# Altium PCB R2C2_Mini-ASCII.PcbDoc (part 2 of 3)
Units mm, origin at the board's own origin, x right, y up, seen from the top; angles counter-clockwise.
Board outline 100 x 100 mm, 4 copper layers (Top Layer, Mid-Layer 1, Mid-Layer 2, Bottom Layer), stack 1.572 mm thick; 230 components, 186 nets, 773 pads, 549 vias.
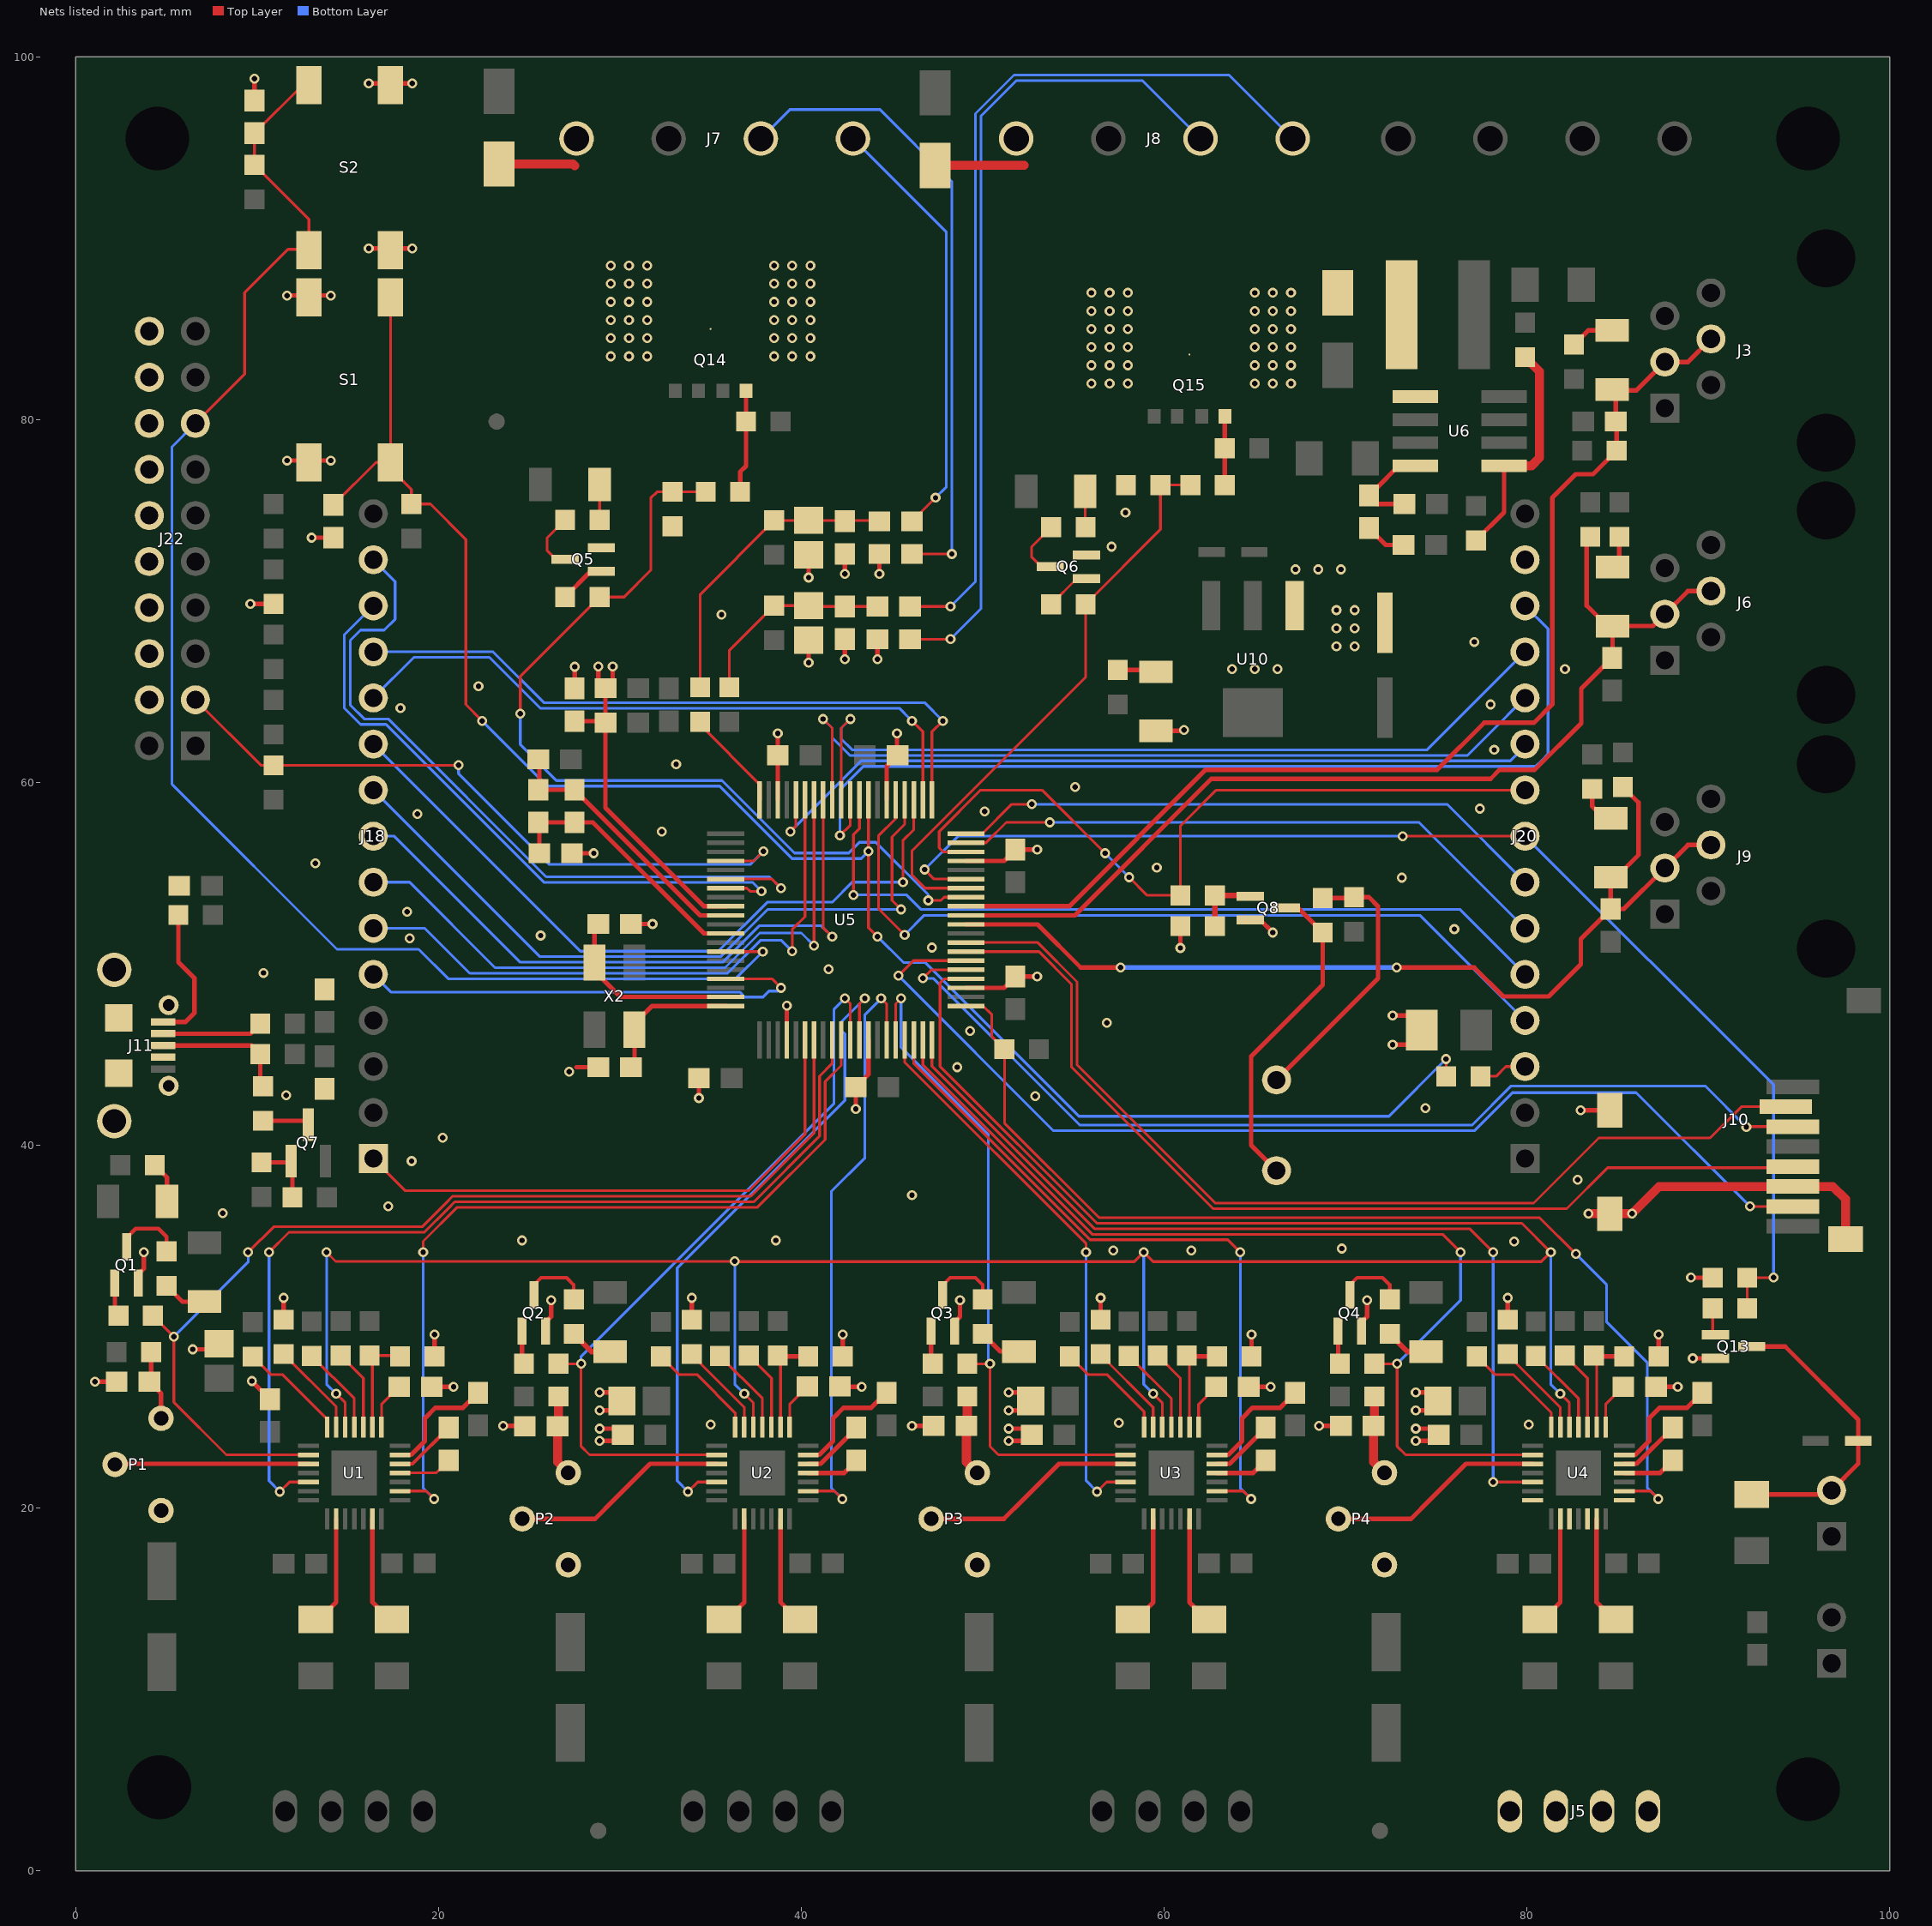
[diagram p4: the nets of this part, all layers, seen from the top]

## Part data
C1 C3 C5 C7 C8 C9 C10 C13 C14 C17 C18 C19 C21 C23 C25 C26 C28 C29 C30 C32 C35 C36 C37 C39 C43 C44 C45 C46 C47 C48 C49 C59 C60 C62 C63 C70: library part 10000054, "Capacitor - MLCC; 0603; NP0; 50V"
C2 C20: library part 10000054, "Capacitor Non Polarized"
C4 C6 C22 C24 C38 C40: library part 10000001, "Capacitor - MLCC; 0805; Y5V; 10UF; 6.3V"
C11 C12 C27 C31: library part 10000069, "Capacitor - Al. Electrolytic; 100UF; 35V"
C15 C16 C33 C34: library part 10000059, "Capacitor - MLCC; 0603; NP0; 50V"
C41: library part 10000002, "Capacitor - MLCC; 10uF; 35V;"
C42 C55 C56 C68: library part 10000056, "Capacitor - MLCC; 0603; NP0; 50V"
C50 C53: library part 10000058, "Capacitor - MLCC; 0603; NP0; 50V"
C51 C54 C71 C72 C73: library part 10000057, "Capacitor - MLCC; 0603; NP0; 50V"
C57: library part 10000005, "Capacitor - MLCC Y5V; 47UF; 6.3V"
C58: library part 10000086, "Capacitor - Al. Electrolytic; 100uF, 16V"
C61: library part 10000066, "Capacitor - MLCC; 0603; NP0; 50V"
C67: library part 10000055, "Capacitor - MLCC; 0603; NP0; 50V"
D1 D4 D7: library part 10000008, "Led - 1206; Green OSRAM"
D2 D3 D5 D6 D8 D9: library part 10000089, "Led - 1206; Red"
D10: library part 10000065, "Led - 1206; Blue OSRAM"
D12: library part 10000009, "Diode - Schottky; 25V; 2A"
D13: library part 10000007, "Led - 1206; Orange OSRAM"
D15 D16: library part 10000010, "Diode - Schottky; 1.5A; 60V"
D19 D20: library part 10000085, "Diode - Schottky; 30V; 1A;"
J1 J2 J4 J5 J7 J8 J12: library part 10000023, "Connector - Header male; Screw; 4way; Hor."
J3 J6 J9: library part 10000062, "Connector - PCB; RJ11; 6/4 Low Profile; Hor."
J10: library part 10000029, "Connector - MicroSD Card 8pin; PCB; Gold"
J18 J20: library part 10000067, "Connector - Header 15x1"
J21 J24: library part 10000097, "Connector - PCB; Header; SQ Pin, 2 way; 2.54mm; Vert"
J22: library part 10000064, "Connector - PCB; Male Receptacle; 2.54mm; 2way; Vert."
L1 L2 L3 L4 L5 L6 L7 L8: library part 10000032, "Ferrite Bead - 470OHM; 0603"
L13: library part 10000081, "Inductor - 33uH; Isat=2.9A; In=1.5A"
LS1: library part 10000068, "Buzzer - Piezo; 70dB; Diam.17mm"
MH1 MH2 MH3 MH4: library part 1000000, "PCB Symbol - Mounting Hole M3"
P1 P2 P3 P4: library part 10000092, "Resistor - Trimmer; 1/4\"; 10K"
Q1 Q2 Q3 Q4 Q5 Q6 Q8 Q13 Q14 Q15: library part 10000039, "Mosfet - N; 60V; 0.3A;"
Q7: library part 10000076, "Mosfet - Power; Vdss=-30v; Rds=0.60; Id=-0.6A"
R1 R2 R3 R5 R6 R7 R8 R9 R12 R14 R26 R27 R30 R31 R32 R33 R35 R36 R37 R38 R41 R55 R57 R64 R72 R75 R76 R77 R83 R86 R89 R94 R97 R104 R105 R115: library part 10000044, "Resistor - 0603; 0.063W; 1%"
R4: library part 10000048, "Resistor"
R10 R11 R44 R88 R96: library part 10000042, "Resistor - 0603; 0.063W; 1%"
R13 R16 R17 R42 R45 R46 R61 R80 R81: library part 10000041, "Resistor - 0603; 0.063W; 1%"
R15 R100: library part 10000049, "Resistor - 0603; 0.063W; 1%"
R18 R19 R47 R48: library part 10000087, "Resistor - 0603; 0.063W; 1%"
R20 R21 R22 R23 R49 R50 R51 R52: library part 10000047, "Resistor - 1206; 0.5W; 1%"
R24 R25 R28 R29 R53 R54 R56 R58 R74 R82 R92 R99 R103: library part 10000045, "Resistor - 0603; 0.063W; 1%"
R59: library part 10000044, "Resistor"
R60: library part 10000041, "Resistor"
R84 R85 R87: library part 10000048, "Resistor - 0603; 0.063W; 1%"
R90 R91: library part 10000053, "Resistor - 0603; 0.063W; 1%"
R93 R98: library part 10000061, "Resistor - 0603; 0.063W; 1%"
R95: library part 10000050, "Resistor - 0603; 0.063W; 1%"
R101: library part 10000080, "Resistor - 0603; 0.063W; 1%"
R102: library part 10000079, "Resistor - 0603; 0.063W; 1%"
S1 S2: library part 10000019, "Switch - Micro; Tactile; SPNO"
U1 U2 U3 U4: library part 10000094, "A4988 (A4983 pinout compatible)"
U5: library part 10000013, "IC - uController ARM Cortex-M3, 100MHz"
U6: library part 10000017, "IC - DC-DC Reg."
U10: library part 10000082, "IC - Fixed LDO Voltage Reg 3.3V 800mA"
X2: library part 10000040, "Crystal - 12.0MHz"

## Free pads (board coordinates)
  round 0.9 smd mask+0.95: ""(23.2,79.9) ""(28.8,2.2) ""(71.9,2.2)

## Via types
v1: diameter 0.55, hole 0.3, Top Layer to Bottom Layer, tented top, 513 vias
v2: diameter 0.55, hole 0.3, Top Layer to Bottom Layer, 36 vias

## Nets (pads, with @x,y where several pads share a name; then routed paths per layer and width w, separated by ;. In a path a pad name is that pad's centre, name@x,y a point inside that pad or via, vN(x,y) a via of type N, cw(c..) or ccw(c..) an arc to the next point about the centre after c; other vN are vias at no path point)
*BUSB: C59.2 R4.1 R103.1 S1.3 S1.4 U5.68 | length 100
  Top Layer w0.15: C59.2@14.2,75.3 16.55,77.65 17,77.65 18.5,76.15 R103.1@18.5,75.35 19.55,75.35 21.5,73.4 21.5,64.3 v1(22.4,63.4) ; S1.3@17.35,77.65 S1.4@17.35,86.75 ; U5.68@43.7,59.05 43.7,52 v1(44.2,51.5) ; R4.1@75.55,43.8 v1(75.55,44.75)
  Bottom Layer w0.15: v1(22.4,63.4) 26,59.8 35.5,59.8 39.495,55.805 43.305,55.805 v1(43.7,56.2) ; v1(44.2,51.5) 45.625,50.075 46.825,50.075 55.3,41.6 72.4,41.6 v1(75.55,44.75)
*RST: C60.2 J22.15 R74.1 S2.3 S2.4 U5.14 | length 84.7
  Top Layer w0.15: J22.15@6.59,79.8 9.3,82.51 9.3,87 11.7,89.4 12.8,89.4 12.85,89.45 12.85,91.05 R74.1@9.85,94.05 C60.2@9.85,95.8 12.6,98.55 S2.3@12.85,98.55 ; U5.14@35.825,50.675 v1(37.875,50.675)
  Bottom Layer w0.15: J22.15@6.59,79.8 5.3,78.51 5.3,59.9 14.396,50.804 18.896,50.804 20.524,49.176 36.376,49.176 v1(37.875,50.675)
*TRST: J22.3 R72.2 U5.4 | length 37.9
  Top Layer w0.15: J22.3@6.59,64.56 10.2,60.95 R72.2@10.9,60.95 v1(21.1,60.95) ; U5.4@35.825,55.675 37.375,55.675 v1(37.9,56.2)
  Bottom Layer w0.15: v1(21.1,60.95) 21.1,60.493 26.113,55.48 37.18,55.48 v1(37.9,56.2)
*USB_PPWR: J18.1 U5.26 | length 31
  Top Layer w0.15: J18.1@16.4,39.26 18.17,37.49 37.09,37.49 40.2,40.6 U5.26@40.2,45.8
CTC1: R82.2 R88.1 R94.2 U5.54 | length 32.1
  Top Layer w0.15: U5.54@49.075,54.175 46.825,54.175 46.1,54.9 46.1,56.231 55.675,65.806 R82.2@55.675,69.825 59.8,73.95 R94.2@59.8,76.4 R88.1@61.45,76.4
CTC1_NTC1: J8.1 L2.2 | length 49.8
  Top Layer w0.15: L2.2@46.025,69.7 v1(48.225,69.7)
  Bottom Layer w0.15: v1(48.225,69.7) 49.6,71.075 49.6,96.88 51.725,99.005 63.585,99.005 J8.1@67.09,95.5
CTC1_NTC2: J8.2 L4.2 | length 46
  Top Layer w0.15: L4.2@46.025,67.9 v1(48.225,67.9)
  Bottom Layer w0.15: v1(48.225,67.9) 49.905,69.58 49.905,96.754 51.851,98.7 58.81,98.7 J8.2@62.01,95.5
CTC2: R10.1 R92.2 R105.2 U5.53 | length 49.4
  Top Layer w0.15: v1(24.503,63.797) 24.503,65.853 R92.2@28.875,70.225 30.225,70.225 31.7,71.7 31.7,75.684 32.041,76.025 R105.2@32.9,76.025 R10.1@34.725,76.025 ; v1(47,53.5) 47.7,53.5 47.875,53.675 U5.53@49.075,53.675
  Bottom Layer w0.15: v1(24.503,63.797) 24.503,62.097 26.495,60.105 35.626,60.105 39.621,56.11 42.61,56.11 43.204,56.704 44.109,56.704 47,53.812 v1(47,53.5)
CTC2_NTC1: J7.1 L1.2 | length 24
  Top Layer w0.15: L1.2@46.1,74.4 v1(47.4,75.7)
  Bottom Layer w0.15: J7.1@42.845,95.5 47.995,90.35 47.995,76.295 v1(47.4,75.7)
CTC2_NTC2: J7.2 L3.2 | length 35.7
  Top Layer w0.15: L3.2@46.1,72.6 v1(48.3,72.6)
  Top Layer w0.25: L3.2@45.93,72.733 L3.2@46.012,72.733
  Bottom Layer w0.15: J7.2@37.765,95.5 39.365,97.1 44.339,97.1 48.3,93.139 48.3,72.8 48.4,72.7 v1(48.3,72.6)
DBG_RXD: J20.3 R4.2 | length 2.7
  Top Layer w0.15: R4.2@77.45,43.8 78.3,43.8 78.84,44.34 J20.3@79.9,44.34
DBG_TXD: J20.4 U5.65 | length 45.5
  Top Layer w0.15: U5.65@45.2,59.05 45.2,58 44.25,57.05 44.25,54.1 44.25,53.05 v1(45.7,51.6)
  Bottom Layer w0.15: v1(45.7,51.6) 46.775,52.675 74.105,52.675 J20.4@79.9,46.88
E1_MOTOR_1A: J5.2 U4.24
E1_MOTOR_1B: J5.1 U4.21
E1_MOTOR_2A: J5.3 U4.26
E1_MOTOR_2B: J5.4 U4.1
EXP_AD1_P1.31: J18.5 U5.17 | length 26.5
  Top Layer w0.15: U5.17@35.825,49.175 35.827,49.177 38.373,49.177 v1(38.875,48.675)
  Bottom Layer w0.15: J18.5@16.4,49.42 17.374,48.446 36.603,48.446 36.879,48.171 37.884,48.171 38.212,48.5 38.7,48.5 v1(38.875,48.675)
EXP_AD2_P0.25: J18.13 U5.7 | length 35.5
  Top Layer w0.15: U5.7@35.825,54.175 37,54.175 37.175,54 v1(37.8,54)
  Bottom Layer w0.15: J18.13@16.4,69.74 14.8,68.14 14.8,64.1 15.7,63.2 17.1,63.2 25.805,54.495 37.305,54.495 v1(37.8,54)
EXP_AD3_AOUT_P0.26: J18.14 U5.6 | length 41.5
  Top Layer w0.15: U5.6@35.825,54.675 38.375,54.675 v1(38.875,54.175)
  Bottom Layer w0.15: J18.14@16.4,72.28 17.6,71.08 17.6,69 17,68.4 15.7,68.4 15.13,67.83 15.13,64.27 15.895,63.505 17.226,63.505 25.931,54.8 38.25,54.8 v1(38.875,54.175)
EXP_IO1_P1.15: J20.5 U5.69 | length 44.2
  Top Layer w0.15: v1(42.875,53.8) 42.875,57.125 43.2,57.45 U5.69@43.2,59.05
  Bottom Layer w0.15: v1(42.875,53.8) 45.8,53.8 46.604,52.996 76.324,52.996 J20.5@79.9,49.42
EXP_IO2_P1.0: J20.10 U5.76 | length 44.4
  Top Layer w0.15: v1(39.4,57.3) 39.7,57.6 U5.76@39.7,59.05
  Bottom Layer w0.15: v1(39.4,57.3) 43.29,61.19 79.09,61.19 79.9,62 J20.10@79.9,62.12
EXP_IO3_P1.9: J20.11 U5.72 | length 45.9
  Top Layer w0.15: v1(41.2,63.5) 41.7,63 U5.72@41.7,59.05
  Bottom Layer w0.15: v1(41.2,63.5) 41.7,63 41.7,62.469 42.674,61.495 63.9,61.495 ; 64,61.495 63.9,61.495 ; J20.11@79.9,64.66 77.94,62.7 76.735,61.495 63.9,61.495
EXP_IO4_P1.10: J20.12 U5.71 | length 46.1
  Top Layer w0.15: U5.71@42.2,59.05 42.2,63 v1(42.7,63.5)
  Bottom Layer w0.15: v1(42.7,63.5) 42.2,63 42.2,62.4 42.8,61.8 74.5,61.8 75.802,63.102 J20.12@79.9,67.2
EXP_IO5_P1.14: J20.13 U5.70 | length 53.5
  Top Layer w0.15: v1(42.125,57.075) 42.7,57.65 U5.70@42.7,59.05
  Bottom Layer w0.15: v1(42.125,57.075) 42.125,59.594 43.417,60.886 63.4,60.886 ; 63.6,60.886 63.4,60.886 ; J20.13@79.9,69.74 81.17,68.47 81.17,61.57 80.829,61.229 80.486,60.886 63.4,60.886
EXP_IO6_P1.1: J18.6 U5.75 | length 33.8
  Top Layer w0.15: v1(39.5,50.7) 39.5,51.9 40.2,52.6 40.2,56.5 U5.75@40.2,59.05
  Bottom Layer w0.15: J18.6@16.4,51.96 19.24,51.96 21.719,49.481 35.921,49.481 37.735,51.295 38.905,51.295 v1(39.5,50.7)
EXP_IO7_P1.4: J18.7 U5.74 | length 35.4
  Top Layer w0.15: v1(40.7,51) 40.7,56.5 U5.74@40.7,59.05
  Bottom Layer w0.15: J18.7@16.4,54.5 18.4,54.5 23.114,49.786 35.795,49.786 37.709,51.7 40,51.7 v1(40.7,51)
EXP_IO8_P1.8: J18.8 U5.73 | length 37
  Top Layer w0.15: U5.73@41.2,59.05 41.2,57.2 41.2,52 v1(41.7,51.5)
  Bottom Layer w0.15: J18.8@16.4,57.04 17.56,57.04 24.51,50.09 35.668,50.09 37.678,52.1 41.1,52.1 v1(41.7,51.5)
EXP_MISO1_P0.8: J18.11 U5.62 | length 36.7
  Top Layer w0.15: v1@46,63.5 46.7,62.8 46.7,62.1 U5.62@46.7,59.05
  Bottom Layer w0.15: J18.11@16.4,64.66 18.644,66.904 22.796,66.904 25.605,64.095 45.405,64.095 v1@46,63.5
  other v1: 46.1,63.4
EXP_MOSI1_P0.9: J18.12 U5.61 | length 37.6
  Top Layer w0.15: U5.61@47.2,59.05 47.2,60.5 47.2,62.8 v1(47.8,63.4)
  Bottom Layer w0.15: J18.12@16.4,67.2 16.408,67.208 22.992,67.208 25.8,64.4 46.8,64.4 v1(47.8,63.4)
EXP_PWM1_RXD1_P2.5: J20.6 U5.59 | length 33.7
  Top Layer w0.15: U5.59@49.075,56.675 50.175,56.675 51.3,57.8 v1(53.7,57.8)
  Bottom Layer w0.15: v1(53.7,57.8) 74.06,57.8 J20.6@79.9,51.96
EXP_PWM2_TXD1_P2.4: J20.7 U5.60 | length 33.3
  Top Layer w0.15: U5.60@49.075,57.175 49.975,57.175 51.6,58.8 v1(52.7,58.8)
  Bottom Layer w0.15: v1(52.7,58.8) 75.6,58.8 J20.7@79.9,54.5
EXP_PWM3_FAN_P2.3: J20.8 R11.1 R33.2 U5.55 | length 69.5
  Top Layer w0.15: v1(46.8,55.2) 47.325,54.675 U5.55@49.075,54.675 ; v1(73.16,57.04) J20.8@79.9,57.04 ; R11.1@92.15,31 R33.2@92.15,32.7 v1(93.6,32.7)
  Bottom Layer w0.15: v1(46.8,55.2) 48.64,57.04 v1(73.16,57.04) ; J20.8@79.9,57.04 93.6,43.34 v1(93.6,32.7)
EXP_PWM4_BUZZER_P2.2: J20.9 R99.1 U5.58 | length 42.7
  Top Layer w0.15: U5.58@49.075,56.175 47.825,56.175 47.6,56.4 47.6,57.3 49.88,59.58 53.27,59.58 v1(56.75,56.1) ; v1(58.075,54.775) 59.075,53.775 60.775,53.775 R99.1@60.838,53.838 ; R99.1@60.9,53.775 60.9,57.6 62.88,59.58 J20.9@79.9,59.58
  Bottom Layer w0.15: v1(56.75,56.1) v1(58.075,54.775)
EXP_SCK1_P0.7: J18.10 U5.63 | length 40.3
  Top Layer w0.15: v1(45.6,54.5) 45.6,56.8 46.2,57.4 U5.63@46.2,59.05
  Bottom Layer w0.15: J18.10@16.4,62.12 27.82,50.7 35.416,50.7 38.116,53.4 41.7,53.4 42.8,54.5 v1(45.6,54.5)
EXP_SSEL1_P0.6: J18.9 U5.64 | length 40.5
  Top Layer w0.15: v1(45.5,53) 45,53.5 45,57 45.7,57.7 U5.64@45.7,59.05
  Bottom Layer w0.15: J18.9@16.4,59.58 25.585,50.395 35.542,50.395 38.147,53 v1(45.5,53)
GND: C3.1 C4.1 C5.1 C6.1 C15.1 C16.1 C17.1 C18.2 C21.1 C22.1 C23.1 C24.1 C33.1 C34.1 C35.1 C36.1 C42.1 C43.1 C44.1 C45.2 C46.2 C47.2 C48.2 C55.2 C56.2 C57.2 C58.2 C59.1 C60.1 C68.1 C70.1 D13.1 J10.6 J10.9@84.575,36.225 J10.9@84.575,41.925 J10.9@97.575,34.825 J11.4 J11.5@2.114,41.325 J11.5@2.114,49.675 J11.5@2.368,43.976 J11.5@2.368,47.024 J11.5@5.114,43.275 J11.5@5.114,47.725 J20.14 J22.4 J22.6 J22.8 J22.10 J22.12 J22.14 J22.16 J22.18 J22.20 L6.1 L8.1 P1.3 P2.3 P3.3 P4.3 Q1.2 Q2.2 Q3.2 Q4.2 Q5.2 Q6.2 Q8.2 Q13.2 R26.1 R27.1 R28.1 R29.1 R33.1 R55.1 R56.1 R57.1 R58.1 R83.1 R94.1 R100.1 R105.1 S1.1 S1.2 S2.1 S2.2 U5.24 U5.33 U5.43 U5.57 U5.66 U5.78 U10.1 | length 117.6
  Top Layer w0.25: v1(1.05,26.958) C17.1@2.25,26.958 ; Q1.2@3.45,32.4 3.45,32.9 3.746,33.196 v1(3.746,34.1) ; v1(6.45,28.75) C4.1@7.9,28.75 ; v1(9.625,69.85) R83.1@10.9,69.85 ; v1(9.7,27) C3.1@10.7,26 ; C60.1@9.85,97.6 v1(9.85,98.8) ; R26.1@11.45,30.383 v1(11.45,31.583) ; v1(11.65,77.75) v1(14.05,77.75) ; v1(11.65,86.85) v1(14.05,86.85) ; v1(13,73.5) C59.1@14.2,73.5 ; v1(16.15,89.45) v1(18.55,89.45) ; v1(16.15,98.55) v1(18.55,98.55) ; C15.1@19.625,26.683 v1(20.825,26.683) ; R28.1@19.775,28.358 v1(19.775,29.558) ; v1(23.555,24.533) C18.2@24.755,24.533 ; Q2.2@25.904,29.75 25.904,30.25 26.2,30.546 v1(26.2,31.45) ; L6.1@27.355,56.1 v1(28.555,56.1) ; L8.1@27.5,65.18 v1(27.5,66.38) ; 27.6,44.3 C56.2@28.8,44.3 ; v1(28.885,23.7) 29.822,23.7 C5.1@30.155,24.033 29.813,24.375 v1(28.885,24.375) ; v1(28.885,25.375) 29.58,25.375 C6.1@30.105,25.9 29.63,26.375 v1(28.885,26.375) ; C55.2@30.6,52.2 v1(31.8,52.2) ; R27.1@33.955,30.383 v1(33.955,31.583) ; v1@34.35,42.5 C46.2@34.35,43.7 ; U5.78@38.7,59.05 38.7,61.1 C45.2@39,61.4 ; C45.2@38.7,61.5 v1(38.7,62.7) ; U5.24@39.2,45.8 v1(39.2,47.7) ; C16.1@42.13,26.683 v1(43.33,26.683) ; R29.1@42.28,28.358 v1(42.28,29.558) ; v1(43,42) C44.1@43,43.2 43.7,43.9 U5.33@43.7,45.8 ; U5.66@44.7,59.05 44.7,60.9 C48.2@45.3,61.5 ; C48.2@45.275,61.5 v1(45.275,62.7) ; v1(46.1,24.533) C35.1@47.3,24.533 ; Q3.2@48.449,29.75 48.449,30.25 48.745,30.546 v1(48.745,31.45) ; U5.43@49.075,48.675 51.175,48.675 C47.2@51.8,49.3 v1(53,49.3) ; U5.57@49.075,55.675 51.175,55.675 C43.1@51.8,56.3 v1(53,56.3) ; v1(51.43,23.7) 52.367,23.7 C21.1@52.7,24.033 52.358,24.375 v1(51.43,24.375) ; v1(51.43,25.375) 52.125,25.375 C22.1@52.65,25.9 52.175,26.375 v1(51.43,26.375) ; R55.1@56.5,30.383 v1(56.5,31.583) ; D13.1@59.55,62.85 61.05,62.85 v1(61.1,62.9) ; v1(60.9,50.875) R100.1@60.9,52.075 ; C33.1@64.675,26.683 v1(65.875,26.683) ; Q8.2@64.75,52.425 65.3,52.425 v1(66,51.725) ; R56.1@64.825,28.358 v1(64.825,29.558) ; v1(68.545,24.533) C36.1@69.745,24.533 ; Q4.2@70.894,29.75 70.894,30.25 71.19,30.546 v1(71.19,31.45) ; v1(72.602,45.548) 73.402,45.548 C57.2@74.202,46.348 73.402,47.148 v1(72.602,47.148) ; v1(73.875,23.7) 74.812,23.7 C23.1@75.145,24.033 74.803,24.375 v1(73.875,24.375) ; v1(73.875,25.375) 74.57,25.375 C24.1@75.095,25.9 74.62,26.375 v1(73.875,26.375) ; R57.1@78.945,30.383 v1(78.945,31.583) ; v1@82.967,41.925 J10.9@84.575,41.925 ; C34.1@87.12,26.683 v1(88.32,26.683) ; R58.1@87.27,28.358 v1(87.27,29.558) ; v1(89.05,32.7) R33.1@90.25,32.7 ; v1(89.15,28.25) Q13.2@90.4,28.25 Q13.2@90.9,28.25
  Top Layer w0.5: v1(83.4,36.225) v1(85.8,36.225) 87.3,37.725 92.575,37.725 J10.6@94.675,37.725 96.875,37.725 97.575,37.025 J10.9@97.575,34.825
  other v1: 35,24.6 80.1,24.6 57.5,24.7 57.2,34.2 61.5,34.2 69.8,34.3 79.3,34.7 24.6,34.75 38.6,34.75 8.1,36.25 17.227,36.627 46.1,37.25 82.8,38.1 18.511,39.123 20.227,40.411 82.965,41.927 74.414,42.049 34.35,42.6 52.9,42.7 11.6,42.75 27.2,44.05 48.6,44.3 49.3,46.3 56.85,46.75 10.35,49.5 41.5,49.7 47.2,50.9 18.4,51.4 25.627,51.561 76.003,51.917 18.261,52.877 73.1,54.75 59.6,55.3 13.2,55.55 32.3,57.3 18.827,58.261 50.1,58.4 77.408,58.558 55.1,59.75 33.1,61 78.2,61.8 17.9,64.1 78,64.3 22.2,65.3 63.75,66.25 65,66.25 66.25,66.25 82.1,66.25 69.5,67.5 70.5,67.5 77.1,67.75 69.5,68.5 70.5,68.5 35.6,69.25 69.5,69.5 70.5,69.5 67.25,71.75 68.5,71.75 69.75,71.75 57.1,73 57.875,74.875
GND_A: C37.1 C38.1 C39.1 C40.1 C53.1 C54.1 L3.1 L4.1 L8.2 U5.9 | length 26.8
  Top Layer w0.25: L8.2@27.5,63.38 29.12,63.38 C54.1@29.2,63.3 ; v1(28.8,66.4) 28.8,65.6 C53.1@29.2,65.2 ; v1(29.6,66.4) 29.6,65.6 C53.1@29.2,65.2 ; U5.9@35.825,53.175 34.625,53.175 29.2,58.6 C54.1@29.2,63.3 ; v1(40.4,66.6) C40.1@40.4,67.85 ; v1(40.4,71.3) C38.1@40.4,72.55 ; v1(42.4,66.8) C39.1@42.4,67.9 ; v1(42.4,71.5) C37.1@42.4,72.6 ; v1(44.2,66.8) L4.1@44.2,67.9 ; v1(44.3,71.5) L3.1@44.3,72.6 ; C54.1@29.2,63.3 C53.1@29.2,65.2
HEAT_BED: D16.2 J7.4 Q14.D | length 4.2
  Top Layer w0.5: D16.2@23.325,94.1 27.4,94.1 27.5,94
  other v1: 29.5,83.5 30.5,83.5 31.5,83.5 38.5,83.5 39.5,83.5 40.5,83.5 29.5,84.5 30.5,84.5 31.5,84.5 38.5,84.5 39.5,84.5 40.5,84.5 29.5,85.5 30.5,85.5 31.5,85.5 38.5,85.5 39.5,85.5 40.5,85.5 29.5,86.5 30.5,86.5 31.5,86.5 38.5,86.5 39.5,86.5 40.5,86.5 29.5,87.5 30.5,87.5 31.5,87.5 38.5,87.5 39.5,87.5 40.5,87.5 29.5,88.5 30.5,88.5 31.5,88.5 38.5,88.5 39.5,88.5 40.5,88.5
HEAT_EXT: D15.2 J8.4 Q15.D | length 4.9
  Top Layer w0.5: D15.2@47.375,94.025 52.275,94.025
  other v1: 56,82 57,82 58,82 65,82 66,82 67,82 56,83 57,83 58,83 65,83 66,83 67,83 56,84 57,84 58,84 65,84 66,84 67,84 56,85 57,85 58,85 65,85 66,85 67,85 56,86 57,86 58,86 65,86 66,86 67,86 56,87 57,87 58,87 65,87 66,87 67,87
ME_DIR: U4.19 U5.40 | length 52.3
  Top Layer w0.15: U5.40@47.2,44.8 U5.40@47.2,45.6 ; U5.40@47.2,45.8 U5.40@47.2,45.6 ; v1(78.145,21.433) U4.19@80.32,21.433 ; v1(78.145,34.1) 76.85,35.395 56.167,35.395 47.2,44.362 U5.40@47.2,45.6
  Bottom Layer w0.15: v1(78.145,21.433) v1(78.145,34.1)
ME_EN: R115.2 U4.2 U5.41 | length 59.8
  Top Layer w0.15: U5.41@49.075,47.675 50.025,47.675 50.5,47.2 50.5,46 R115.2@51.2,45.3 51.2,41.224 56.419,36.005 80.695,36.005 v1(82.7,34) ; U4.2@85.37,20.933 86.812,20.933 v1(87.245,20.5)
  Bottom Layer w0.15: v1(82.7,34) 84.4,32.3 84.4,30.245 86.645,28 86.645,21.1 v1(87.245,20.5)
ME_STEP: R54.2 U4.16 U5.39 | length 57.4
  Top Layer w0.15: U5.39@46.7,44.8 U5.39@46.7,45.8 46.7,44.431 56.041,35.09 75.355,35.09 v1(76.345,34.1) ; R54.2@71.594,27.95 v1(72.845,27.95) 72.845,23.4 73.312,22.933 U4.16@80.32,22.933
  Bottom Layer w0.15: v1(72.845,27.95) 76.345,31.45 v1(76.345,34.1)
MN_RST: U1.12 U2.12 U3.12 U4.12 U5.44 | length 153.1
  Top Layer w0.15: v1(13.825,34.1) 14.329,33.596 36.334,33.596 36.351,33.579 58.354,33.579 v1(58.875,34.1) 59.396,33.579 80.799,33.579 v1(81.32,34.1) 79.72,35.7 56.293,35.7 47.65,44.343 47.65,45.7 ; v1(14.35,26.3) 14.85,25.8 U1.12@14.85,24.458 ; v1(36.855,26.3) 37.355,25.8 U2.12@37.355,24.458 ; 47.65,44.781 47.65,45.7 ; U5.44@49.075,49.175 47.875,49.175 47.65,48.95 47.65,45.7 ; v1(59.4,26.3) 59.9,25.8 U3.12@59.9,24.458 ; v1(81.845,26.3) 82.345,25.8 U4.12@82.345,24.458
  Bottom Layer w0.15: v1(13.825,34.1) 13.825,26.825 v1(14.35,26.3) ; v1(36.33,33.6) 36.33,26.825 v1(36.855,26.3) ; v1(58.875,34.1) 58.875,26.825 v1(59.4,26.3) ; v1(81.32,34.1) 81.32,26.825 v1(81.845,26.3)
MX_DIR: U1.19 U5.29 | length 54.1
  Top Layer w0.15: v1(10.65,34.1) 11.75,35.2 19.214,35.2 20.507,36.493 ; v1(11.25,20.9) 11.783,21.433 U1.19@12.825,21.433 ; 20.71,36.695 20.507,36.493 ; U5.29@41.7,45.8 41.695,45.795 41.695,44.495 41.005,43.805 41.005,40.505 37.381,36.881 20.895,36.881 20.507,36.493
  Bottom Layer w0.15: v1(10.65,34.1) 10.65,21.5 v1(11.25,20.9)
MX_EN: U1.2 U5.30 | length 46.8
  Top Layer w0.15: U1.2@17.875,20.933 19.317,20.933 v1(19.75,20.5) ; v1(19.15,34.1) 19.15,34.705 21.021,36.576 37.576,36.576 41.31,40.31 41.31,43.505 42.2,44.395 U5.30@42.2,45.8
  Bottom Layer w0.15: v1(19.15,34.1) 19.15,21.1 v1(19.75,20.5)
MX_STEP: R24.2 U1.16 U5.27 | length 59.6
  Top Layer w0.15: R24.2@4.25,30.6 v1(5.4,29.45) 5.4,25.833 8.3,22.933 U1.16@12.825,22.933 ; v1(9.5,34.1) 10.905,35.505 19.088,35.505 20.342,36.758 ; 20.583,37 20.342,36.758 ; U5.27@40.7,45.8 40.7,40.669 37.217,37.186 20.769,37.186 20.342,36.758
  Bottom Layer w0.15: v1(5.4,29.45) 9.5,33.55 v1(9.5,34.1)
MY_DIR: U2.19 U5.32 | length 36.1
  Top Layer w0.15: v1(33.755,20.9) 34.288,21.433 U2.19@35.33,21.433 ; U5.32@43.2,45.8 43.2,47.8 v1(43.5,48.1)
  Bottom Layer w0.15: v1(33.755,20.9) 33.155,21.5 33.155,33.224 42.4,42.469 42.4,46.131 42.2,46.331 42.2,46.8 v1(43.5,48.1)
MY_EN: U2.2 U5.35 | length 33.5
  Top Layer w0.15: U2.2@40.38,20.933 41.822,20.933 v1(42.255,20.5) ; v1(44.4,48.1) 44.7,47.8 U5.35@44.7,45.8
  Bottom Layer w0.15: v1(42.255,20.5) 41.655,21.1 41.655,37.455 43.504,39.304 43.504,47.204 v1(44.4,48.1)
MY_STEP: R25.2 U2.16 U5.31 | length 42.1
  Top Layer w0.15: R25.2@26.604,27.95 v1(27.855,27.95) 27.855,23.4 28.322,22.933 U2.16@35.33,22.933 ; v1(42.4,48.1) 42.7,47.8 U5.31@42.7,45.8
  Bottom Layer w0.15: v1(27.855,27.95) 27.855,28.355 41.8,42.3 41.8,47.5 v1(42.4,48.1)
MZ_DIR: U3.19 U5.37 | length 31.2
  Top Layer w0.15: U5.37@45.7,45.8 45.7,44.569 55.7,34.569 v1(55.7,34.1) v1@55.8,34.1 ; v1(56.3,20.9) 56.833,21.433 U3.19@57.875,21.433
  Bottom Layer w0.15: v1(55.7,34.1) 55.7,21.5 v1(56.3,20.9)
MZ_EN: U3.2 U5.38 | length 39.5
  Top Layer w0.15: U5.38@46.2,45.8 46.2,44.5 55.914,34.786 63.514,34.786 v1(64.2,34.1) ; U3.2@62.925,20.933 64.367,20.933 v1(64.8,20.5)
  Bottom Layer w0.15: v1(64.2,34.1) 64.2,21.1 v1(64.8,20.5)
MZ_STEP: R53.2 U3.16 U5.36 | length 38.1
  Top Layer w0.15: U5.36@45.2,45.8 45.2,47.8 v1(45.5,48.1) ; R53.2@49.149,27.95 v1(50.4,27.95) 50.4,23.4 50.867,22.933 U3.16@57.875,22.933
  Bottom Layer w0.15: v1(45.5,48.1) 45.5,45.4 50.3,40.6 50.3,28.05 v1(50.4,27.95)
NetC1_1: C1.1 U1.5 | length 3.5
  Top Layer w0.2: U1.5@17.875,22.433 18.56,22.433 C1.1@20.554,24.427
NetC1_2: C1.2 U1.4 | length 3
  Top Layer w0.15: U1.4@17.875,21.933 19.86,21.933 C1.2@20.554,22.627
NetC2_1: C2.1 U2.4 | length 3
  Top Layer w0.25: U2.4@40.38,21.933 42.365,21.933 C2.1@43.059,22.627
NetC2_2: C2.2 U2.5 | length 3.5
  Top Layer w0.25: U2.5@40.38,22.433 41.065,22.433 C2.2@43.059,24.427
NetC13_1: C13.1 U1.6 | length 6.5
  Top Layer w0.25: U1.6@17.875,22.933 18.491,22.933 19.249,23.691 19.249,24.95 19.824,25.525 21.349,25.525 C13.1@22.174,26.35
NetC14_1: C14.1 U2.6 | length 6.5
  Top Layer w0.25: U2.6@40.38,22.933 40.996,22.933 41.754,23.691 41.754,24.95 42.329,25.525 43.854,25.525 C14.1@44.679,26.35
NetC15_2: C15.2 U1.8 | length 2.6
  Top Layer w0.15: U1.8@16.85,24.458 16.85,25.708 C15.2@17.825,26.683
NetC16_2: C16.2 U2.8 | length 2.6
  Top Layer w0.15: U2.8@39.355,24.458 39.355,25.708 C16.2@40.33,26.683
NetC17_2: C17.2 P1.1 R18.1 | length 4
  Top Layer w0.25: C17.2@4.05,26.958 C17.2@4.15,26.858 ; R18.1@4.15,28.6 C17.2@4.15,26.858 ; P1.1@4.7,24.94 4.7,26.308 C17.2@4.15,26.858
NetC18_1: C18.1 P2.1 R19.1 | length 4.5
  Top Layer w0.5: C18.1@26.555,24.533 C18.1@26.555,24.5 ; R19.1@26.604,26.15 26.604,24.549 C18.1@26.555,24.5 ; P2.1@27.155,21.94 26.555,22.54 C18.1@26.555,24.5
NetC19_1: C19.1 U3.5 | length 3.5
  Top Layer w0.25: U3.5@62.925,22.433 63.61,22.433 C19.1@65.604,24.427
NetC19_2: C19.2 U3.4 | length 3
  Top Layer w0.25: U3.4@62.925,21.933 64.91,21.933 C19.2@65.604,22.627
NetC20_1: C20.1 U4.4 | length 3
  Top Layer w0.25: U4.4@85.37,21.933 87.355,21.933 C20.1@88.049,22.627
NetC20_2: C20.2 U4.5 | length 3.5
  Top Layer w0.25: U4.5@85.37,22.433 86.055,22.433 C20.2@88.049,24.427
NetC30_1: C30.1 U3.6 | length 6.5
  Top Layer w0.25: U3.6@62.925,22.933 63.541,22.933 64.299,23.691 64.299,24.95 64.874,25.525 66.399,25.525 C30.1@67.224,26.35
NetC32_1: C32.1 U4.6 | length 6.5
  Top Layer w0.25: U4.6@85.37,22.933 85.986,22.933 86.744,23.691 86.744,24.95 87.319,25.525 88.844,25.525 C32.1@89.669,26.35
NetC33_2: C33.2 U3.8 | length 2.6
  Top Layer w0.15: U3.8@61.9,24.458 61.9,25.708 C33.2@62.875,26.683
NetC34_2: C34.2 U4.8 | length 2.6
  Top Layer w0.15: U4.8@84.345,24.458 84.345,25.708 C34.2@85.32,26.683
NetC35_2: C35.2 P3.1 R47.1 | length 4.4
  Top Layer w0.5: C35.2@49.1,24.533 49.1,22.54 P3.1@49.7,21.94 ; C35.2@49.149,24.582 R47.1@49.149,26.15
NetC36_2: C36.2 P4.1 R48.1 | length 4.5
  Top Layer w0.5: R48.1@71.594,26.15 71.594,24.582 C36.2@71.545,24.533 71.545,22.54 P4.1@72.145,21.94
NetC37_2: C37.2 C38.2 L1.1 R59.1 R96.1 | length 17
  Top Layer w0.15: R96.1@34.425,65.25 34.425,70.375 R59.1@38.5,74.45 ; R59.1@38.5,74.2 R59.1@38.5,74.45 ; L1.1@44.3,74.4 44.25,74.45 R59.1@38.5,74.45
NetC39_2: C39.2 C40.2 L2.1 R44.1 R60.1 | length 11.2
  Top Layer w0.15: R44.1@36.025,65.25 36.025,67.275 R60.1@38.5,69.75 C40.2@40.4,69.75 40.45,69.7 C39.2@42.4,69.7 L2.1@44.2,69.7
NetC41_1: C41.1 D20.2 J24.2 Q13.3 | length 16.5
  Top Layer w0.25: C41.1@92.4,20.75 96.58,20.75 J24.2@96.8,20.97 98.275,22.445 D20.2@98.275,23.7 98.275,24.866 94.241,28.9 Q13.3@92.4,28.9
NetC50_1: C50.1 C51.1 L6.2 U5.12 | length 14.5
  Top Layer w0.25: C51.1@25.5,57.8 C50.1@27.5,57.8 28.5,57.8 34.625,51.675 U5.12@35.825,51.675 ; L6.2@25.555,56.1 C51.1@25.555,57.745
NetC50_2: C50.2 C51.2 L5.2 U5.10 | length 14.8
  Top Layer w0.25: L5.2@25.555,61.3 25.555,59.655 25.61,59.6 C50.2@27.5,59.6 34.425,52.675 U5.10@35.825,52.675
NetC55_1: C55.1 U5.19 X2.3 | length 10.5
  Top Layer w0.25: C55.1@28.8,52.2 28.6,52 X2.3@28.6,50.069 28.6,49.6 30.025,48.175 U5.19@35.825,48.175
NetC56_1: C56.1 U5.20 X2.1 | length 7.9
  Top Layer w0.25: C56.1@30.6,44.3 30.8,44.5 X2.1@30.8,46.369 30.8,46.7 31.775,47.675 U5.20@35.825,47.675
NetC61_1: C61.1 R95.2 | length 2.5
  Top Layer w0.25: C61.1@71.3,74.025 72.225,73.1 R95.2@73.2,73.1 R95.2@73,73.1
NetC61_2: C61.2 C67.2 U6.4 | length 4.8
  Top Layer w0.25: C61.2@71.3,75.825 71.775,75.35 C67.2@73.15,75.35 ; C61.2@71.723,76.248 72.935,77.46 U6.4@73.85,77.46 ; C67.2@73.2,75.3 C67.2@73.15,75.35 ; C67.2@73.25,75.35 C67.2@73.15,75.35
NetC71_1: C71.1 D1.1 J3.3 J3.4 R64.1 U5.52 | length 63.2
  Top Layer w0.25: U5.52@49.075,53.175 54.775,53.175 62.3,60.7 75.051,60.7 77.651,63.3 80.4,63.3 81.4,64.3 81.4,75.7 82.7,77 83.65,77 R64.1@84.95,78.3 84.95,79.85 C71.1@84.9,79.9 84.9,81.325 84.6,81.625 86.05,81.625 J3.3@87.61,83.185 88.88,83.185 J3.4@90.15,84.455
NetC72_1: C72.1 D4.1 J6.3 J6.4 R97.1 U5.51 | length 56.1
  Top Layer w0.25: U5.51@49.075,52.675 53.4,52.675 ; 53.5,52.675 53.4,52.675 ; R97.1@83.5,73.55 83.3,73.35 83.3,69.752 D4.1@84.427,68.625 ; C72.1@84.7,66.875 83,65.175 83,63.269 80.426,60.695 78.495,60.695 78,60.2 62.6,60.2 55.075,52.675 53.4,52.675 ; C72.1@84.727,66.927 D4.1@84.727,68.625 86.95,68.625 J6.3@87.61,69.285 88.88,70.555 J6.4@90.15,70.555
NetC73_1: C73.1 D7.1 J9.3 J9.4 R104.1 U5.50 | length 55.7
  Top Layer w0.25: U5.50@49.075,52.175 53.025,52.175 55.4,49.8 v1(57.6,49.8) ; v1(72.823,49.8) 77.1,49.8 78.7,48.2 81.2,48.2 82.975,49.975 82.975,51.375 C73.1@84.625,53.025 ; C73.1@84.352,52.752 C73.1@84.625,53.025 ; C73.1@84.625,53.225 C73.1@84.625,53.025 ; D7.1@84.625,54.773 C73.1@84.625,53.025 ; D7.1@84.627,54.773 D7.1@84.627,54.775 ; D7.1@84.802,54.6 D7.1@84.627,54.775 ; R104.1@85.3,59.75 86.155,58.895 86.155,56 84.93,54.775 D7.1@84.627,54.775 ; J9.4@90.15,56.555 88.88,56.555 J9.3@87.61,55.285 85.35,53.025 C73.1@84.625,53.025
  Bottom Layer w0.25: v1(57.6,49.8) v1(72.823,49.8)
NetD1_2: D1.2 R13.1 | length 2.5
  Top Layer w0.25: R13.1@82.6,84.15 83.375,84.925 D1.2@84.7,84.925 ; D1.2@84.6,84.875 D1.2@84.7,84.875
NetD2_1: D2.1 R16.2 | length 2.5
  Top Layer w0.25: R16.2@5,32.25 5.875,31.375 D2.1@7.1,31.375
NetD3_1: D3.1 R17.2 | length 2.4
  Top Layer w0.3: R17.2@27.454,29.6 28.429,28.625 D3.1@29.454,28.625
NetD4_2: D4.2 R42.1 | length 1.8
  Top Layer w0.25: D4.2@84.727,71.875 85.1,72.248 R42.1@85.1,73.55
NetD5_1: D5.1 R46.2 | length 2.4
  Top Layer w0.25: R46.2@49.999,29.6 50.974,28.625 D5.1@51.999,28.625
NetD6_1: D6.1 R61.2 | length 2.4
  Top Layer w0.3: R61.2@72.444,29.6 73.419,28.625 D6.1@74.444,28.625
NetD7_2: D7.2 R45.1 | length 2.3
  Top Layer w0.25: R45.1@83.6,59.65 83.6,58.7 84.275,58.025 D7.2@84.627,58.025
NetD8_1: D8.1 R80.2 | length 2.3
  Top Layer w0.15: D8.1@55.65,76.05 55.65,73.825 R80.2@55.675,73.8
NetD9_1: D9.1 R81.2 | length 1.9
  Top Layer w0.15: R81.2@28.875,74.475 D9.1@28.875,76.425
NetD10_1: D10.1 R93.2 | length 2.3
  Top Layer w0.25: R93.2@4.35,38.9 5.025,38.225 D10.1@5.025,36.9
NetD12_1: D12.1 L13.1 U6.1
NetD13_2: D13.2 R98.1 | length 2.1
  Top Layer w0.25: R98.1@57.45,66.2 59.475,66.2 D13.2@59.55,66.275
NetJ11_1: J11.1 R89.1 | length 7.7
  Top Layer w0.25: J11.1@4.814,46.8 6.05,46.8 6.534,47.284 6.534,49.216 5.65,50.1 R89.1@5.65,52.7
NetJ11_2: J11.2 R90.1 | length 6.1
  Top Layer w0.25: J11.2@4.814,46.15 9.614,46.15 R90.1@10.164,46.7 R90.1@9.764,46.3
NetJ11_3: J11.3 R87.1 R91.1 | length 6.5
  Top Layer w0.25: J11.3@4.814,45.5 R91.1@9.689,45.5 ; R87.1@10.164,43.4 R91.1@10.164,45.025
NetJ23_6: 
NetLS1_1: LS1.1 R84.2 R85.1 | length 15.1
  Top Layer w0.25: LS1.1@66.2,43.6 71.8,49.2 71.8,53.175 71.3,53.675 R85.1@70.475,53.675 ; R84.2@68.75,53.625 R85.1@70.425,53.625
NetLS1_2: LS1.2 Q8.3 R84.1 | length 17.9
  Top Layer w0.25: LS1.2@66.2,38.6 64.8,40 64.8,44.9 68.75,48.85 R84.1@68.75,51.725 67.4,53.075 Q8.3@66.75,53.075
NetP1_2: P1.2 U1.17 | length 10.6
  Top Layer w0.25: P1.2@2.193,22.433 U1.17@12.825,22.433
NetP2_2: P2.2 U2.17 | length 12
  Top Layer w0.25: P2.2@24.61,19.4 28.622,19.4 29.695,20.473 31.655,22.433 U2.17@35.33,22.433
NetP3_2: P3.2 U3.17 | length 12
  Top Layer w0.25: P3.2@47.16,19.4 51.167,19.4 52.24,20.473 54.2,22.433 U3.17@57.875,22.433
NetP4_2: P4.2 U4.17 | length 12
  Top Layer w0.25: P4.2@69.61,19.4 73.612,19.4 74.685,20.473 76.645,22.433 U4.17@80.32,22.433
NetQ1_1: Q1.1 R24.1 | length 1.9
  Top Layer w0.2: R24.1@2.15,31.083 ccw(c2.833,31.083) R24.1@2.35,30.6
  Top Layer w0.25: R24.1@2.15,31.083 Q1.1@2.15,32.4
NetQ1_3: Q1.3 R16.1 | length 3.9
  Top Layer w0.2: Q1.3@2.8,34.4 2.8,34.9 3.3,35.4 4.55,35.4 5,34.95 R16.1@5,34.15
NetQ2_1: Q2.1 R25.1 | length 1.7
  Top Layer w0.25: R25.1@24.604,28.05 Q2.1@24.604,29.75
NetQ2_3: Q2.3 R17.1 | length 3.9
  Top Layer w0.2: Q2.3@25.254,31.75 25.254,32.299 25.655,32.7 27.055,32.7 27.454,32.301 R17.1@27.454,31.5
NetQ3_1: Q3.1 R53.1 | length 1.7
  Top Layer w0.25: R53.1@47.149,28.05 Q3.1@47.149,29.75
NetQ3_3: Q3.3 R46.1 | length 3.9
  Top Layer w0.2: Q3.3@47.799,31.75 47.799,32.299 48.2,32.7 49.6,32.7 49.999,32.301 R46.1@49.999,31.5
NetQ4_1: Q4.1 R54.1 | length 1.8
  Top Layer w0.15: Q4.1@69.65,30.4 Q4.1@69.75,30.3
  Top Layer w0.25: R54.1@69.594,28.05 Q4.1@69.594,29.75
NetQ4_3: Q4.3 R61.1 | length 3.9
  Top Layer w0.2: Q4.3@70.244,31.75 70.244,32.299 70.645,32.7 72.045,32.7 72.444,32.301 R61.1@72.444,31.5
NetQ5_1: Q5.1 R92.1 | length 2.6
  Top Layer w0.25: R92.1@26.975,70.225 28.4,71.65 Q5.1@28.975,71.65
NetQ5_3: Q5.3 R81.1 | length 3.3
  Top Layer w0.15: Q5.3@26.975,72.3 26.475,72.3 25.975,72.8 25.975,73.475 R81.1@26.975,74.475
NetQ6_1: Q6.1 R82.1 | length 2.5
  Top Layer w0.15: R82.1@53.775,69.825 55.2,71.25 Q6.1@55.725,71.25
NetQ6_3: Q6.3 R80.1 | length 3.3
  Top Layer w0.15: Q6.3@53.725,71.9 53.225,71.9 52.7,72.425 52.7,73 R80.1@53.775,74.075
NetQ7_1: Q7.1 R15.1 R76.1 | length 3.6
  Top Layer w0.25: R76.1@10.239,39.05 11.939,39.05 R15.1@11.939,37.125
NetQ7_3: Q7.3 R87.2 | length 2.8
  Top Layer w0.25: R87.2@10.314,41.35 Q7.3@12.589,41.35 ; Q7.3@12.814,41.125 Q7.3@12.814,41.625
NetQ8_1: Q8.1 R99.2 R100.2 | length 3.6
  Top Layer w0.3: R100.2@62.8,52.075 R99.2@62.8,53.775 Q8.1@64.7,53.775
NetQ13_1: Q13.1 R11.2 | length 1.5
  Top Layer w0.15: R11.2@90.25,31 90.25,29.7 Q13.1@90.4,29.55
NetQ14_G: Q14.G R10.2 R14.2 | length 5.7
  Top Layer w0.25: R10.2@36.625,76.025 36.625,77.125 36.95,77.45 R14.2@36.95,79.9 Q14.G@36.95,81.595
NetQ15_G: Q15.G R5.2 R88.2 | length 3.8
  Top Layer w0.25: R88.2@63.35,76.4 Q15.G@63.35,80.195
NetR1_1: R1.1 R28.2 U1.9 | length 5.7
  Top Layer w0.15: U1.9@16.35,24.458 16.35,28.258 R1.1@16.2,28.408 17.825,28.408 R28.2@17.875,28.358
NetR2_1: R2.1 U1.10 | length 4.5
  Top Layer w0.15: R2.1@14.6,28.408 15.85,27.158 U1.10@15.85,24.458
NetR3_1: R3.1 U1.11 | length 4.9
  Top Layer w0.15: R3.1@13,28.383 15.35,26.033 U1.11@15.35,24.458
NetR6_1: R6.1 U1.14 | length 6
  Top Layer w0.15: R6.1@9.75,28.35 10.742,27.358 11.392,27.358 13.85,24.9 U1.14@13.85,24.458
NetR7_1: R7.1 R29.2 U2.9 | length 5.4
  Top Layer w0.15: U2.9@38.855,24.458 R7.1@38.855,28.258
  Top Layer w0.25: R7.1@38.755,28.358 R29.2@40.38,28.358
NetR8_1: R8.1 U2.10 | length 4.5
  Top Layer w0.15: R8.1@37.105,28.408 38.355,27.158 U2.10@38.355,24.458
NetR9_1: R9.1 U2.11 | length 4.9
  Top Layer w0.15: R9.1@35.505,28.383 37.855,26.033 U2.11@37.855,24.458
NetR12_1: R12.1 U2.14 | length 6.2
  Top Layer w0.15: R12.1@32.255,28.358 33.255,27.358 34.242,27.358 36.355,25.245 U2.14@36.355,24.458
NetR20_2: R20.2 U1.27 | length 6.1
  Top Layer w0.25: U1.27@16.351,19.408 16.351,14.799 17.3,13.85 R20.2@17.425,13.85
NetR21_2: R21.2 U1.23 | length 6.1
  Top Layer w0.25: R21.2@13.225,13.85 13.4,13.85 14.351,14.801 U1.23@14.351,19.408
NetR22_2: R22.2 U2.27 | length 6.1
  Top Layer w0.25: U2.27@38.856,19.408 38.856,14.799 39.805,13.85 R22.2@39.93,13.85
NetR23_2: R23.2 U2.23 | length 6.1
  Top Layer w0.25: R23.2@35.73,13.85 35.905,13.85 36.856,14.801 U2.23@36.856,19.408
NetR26_2: R26.2 U1.13 | length 5.2
  Top Layer w0.15: R26.2@11.45,28.483 14.35,25.583 U1.13@14.35,24.458
NetR27_2: R27.2 U2.13 | length 5.2
  Top Layer w0.15: R27.2@33.955,28.441 36.855,25.541 U2.13@36.855,24.458
NetR30_1: R30.1 R56.2 U3.9 | length 5.6
  Top Layer w0.15: U3.9@61.4,24.458 R30.1@61.4,28.258
  Top Layer w0.25: R30.1@61.4,28.258 61.3,28.358 R56.2@62.925,28.358
NetR31_1: R31.1 U3.10 | length 4.5
  Top Layer w0.15: R31.1@59.65,28.408 60.9,27.158 U3.10@60.9,24.458
NetR32_1: R32.1 U3.11 | length 4.9
  Top Layer w0.15: R32.1@58.05,28.383 60.4,26.033 U3.11@60.4,24.458
NetR35_1: R35.1 U3.14 | length 6.2
  Top Layer w0.15: R35.1@54.8,28.358 55.8,27.358 56.842,27.358 58.9,25.3 U3.14@58.9,24.458
NetR36_1: R36.1 R58.2 U4.9 | length 5.4
  Top Layer w0.15: U4.9@83.845,24.458 R36.1@83.845,28.258
  Top Layer w0.25: R36.1@83.745,28.358 R58.2@85.37,28.358
NetR37_1: R37.1 U4.10 | length 4.5
  Top Layer w0.15: R37.1@82.095,28.408 83.345,27.158 U4.10@83.345,24.458
NetR38_1: R38.1 U4.11 | length 4.9
  Top Layer w0.15: R38.1@80.495,28.383 82.845,26.033 U4.11@82.845,24.458
NetR41_1: R41.1 U4.14 | length 6.2
  Top Layer w0.15: R41.1@77.245,28.358 78.245,27.358 79.242,27.358 81.345,25.255 U4.14@81.345,24.458
NetR49_2: R49.2 U3.27 | length 6.1
  Top Layer w0.25: U3.27@61.401,19.408 61.401,14.799 62.35,13.85 R49.2@62.475,13.85
NetR50_2: R50.2 U3.23 | length 6.1
  Top Layer w0.25: R50.2@58.275,13.85 58.45,13.85 59.401,14.801 U3.23@59.401,19.408
NetR51_2: R51.2 U4.27 | length 6.1
  Top Layer w0.25: U4.27@83.846,19.408 83.846,14.799 84.795,13.85 R51.2@84.92,13.85
NetR52_2: R52.2 U4.23 | length 6.1
  Top Layer w0.25: R52.2@80.72,13.85 80.895,13.85 81.846,14.801 U4.23@81.846,19.408
NetR55_2: R55.2 U3.13 | length 5.2
  Top Layer w0.15: R55.2@56.5,28.441 59.4,25.541 U3.13@59.4,24.458
NetR57_2: R57.2 U4.13 | length 5.2
  Top Layer w0.15: R57.2@78.945,28.441 81.845,25.541 U4.13@81.845,24.458
NetR101_1: R101.1 R102.2 U6.5 | length 12.4
  Top Layer w0.25: R102.2@77.2,73.35 78.75,74.9 U6.5@78.75,77.46
  Top Layer w0.5: U6.5@79.1,77.46 80.26,77.46 80.7,77.9 80.7,82.65 R101.1@79.9,83.45
RXD0: R96.2 U5.80 | length 5.7
  Top Layer w0.15: R96.2@34.425,63.175 U5.80@37.7,59.9
  Top Layer w0.25: R96.2@34.425,63.175 R96.2@34.425,63.35 ; U5.80@37.7,59.05 U5.80@37.7,59.9
SD_MISO0: J10.7 U5.46 | length 60.4
  Top Layer w0.15: v1(45.35,49.35) 46.175,50.175 U5.46@49.075,50.175 ; v1(92.3,36.625) J10.7@94.7,36.625
  Bottom Layer w0.15: v1(45.35,49.35) 53.9,40.8 77.1,40.8 79.2,42.9 86.025,42.9 v1(92.3,36.625)
SD_MOSI0: J10.3 U5.45 | length 55.8
  Top Layer w0.15: v1(46.7,49.2) 47.171,49.671 49.071,49.671 U5.45@49.075,49.675 ; v1@92.1,41.025 J10.3@94.7,41.025
  Bottom Layer w0.15: v1(46.7,49.2) 47.269,49.2 55.364,41.105 76.974,41.105 79.134,43.266 79.7,43.266 86.9,43.266 89.834,43.266 v1(92.1,41)
SD_SCK0: J10.5 U5.47 | length 55.2
  Top Layer w0.15: U5.47@49.075,50.675 53.1,50.675 54.895,48.88 54.895,44.31 62.705,36.5 82.2,36.5 84.456,38.756 J10.5@94.706,38.756 ; J10.5@94.606,38.756 J10.5@94.675,38.825
SD_SSEL0: J10.2 U5.48 | length 56.1
  Top Layer w0.15: U5.48@49.075,51.175 53,51.175 53.031,51.175 55.2,49.006 55.2,44.436 62.826,36.81 80.379,36.81 83.969,40.4 90.1,40.4 91.825,42.125 J10.2@94.3,42.125